# Altium PCB Quark_no.PcbDoc (part 1 of 3)
Units mil, origin at the board's own origin, x right, y up, seen from the top; angles counter-clockwise.
Board outline 877.01 x 1246.5 mil, 6 copper layers (Top1, Signal2, Power4, Gnd3, Signal5, Bottom6), stack 33.911 mil thick; 123 components, 164 nets, 918 pads, 390 vias.
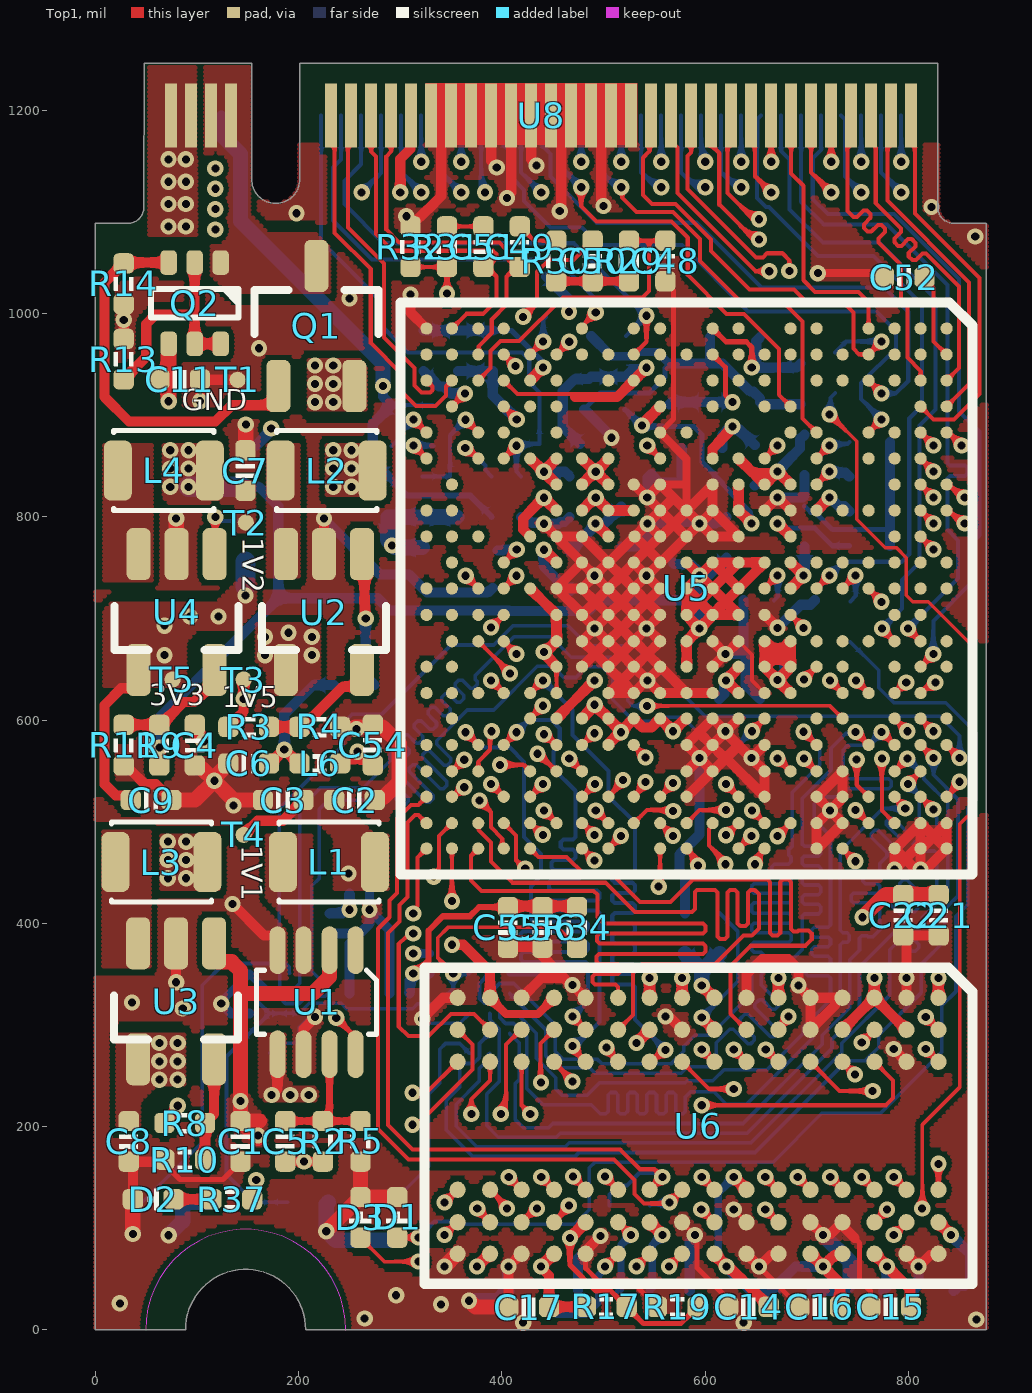
[diagram p0: Top1 view]
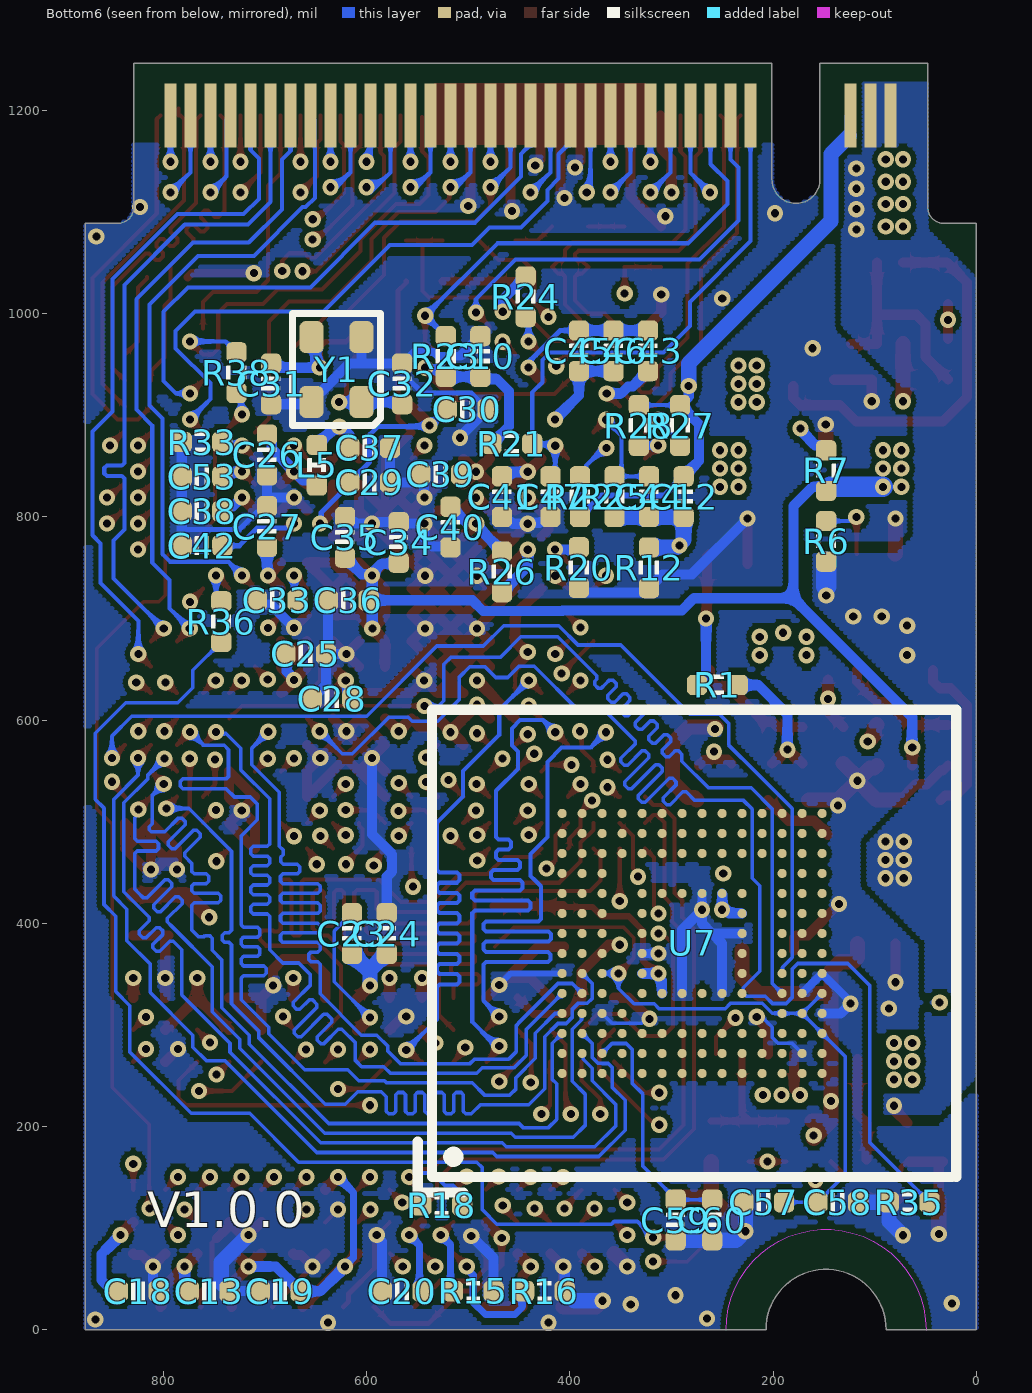
[diagram p1: Bottom6 view, seen from below]
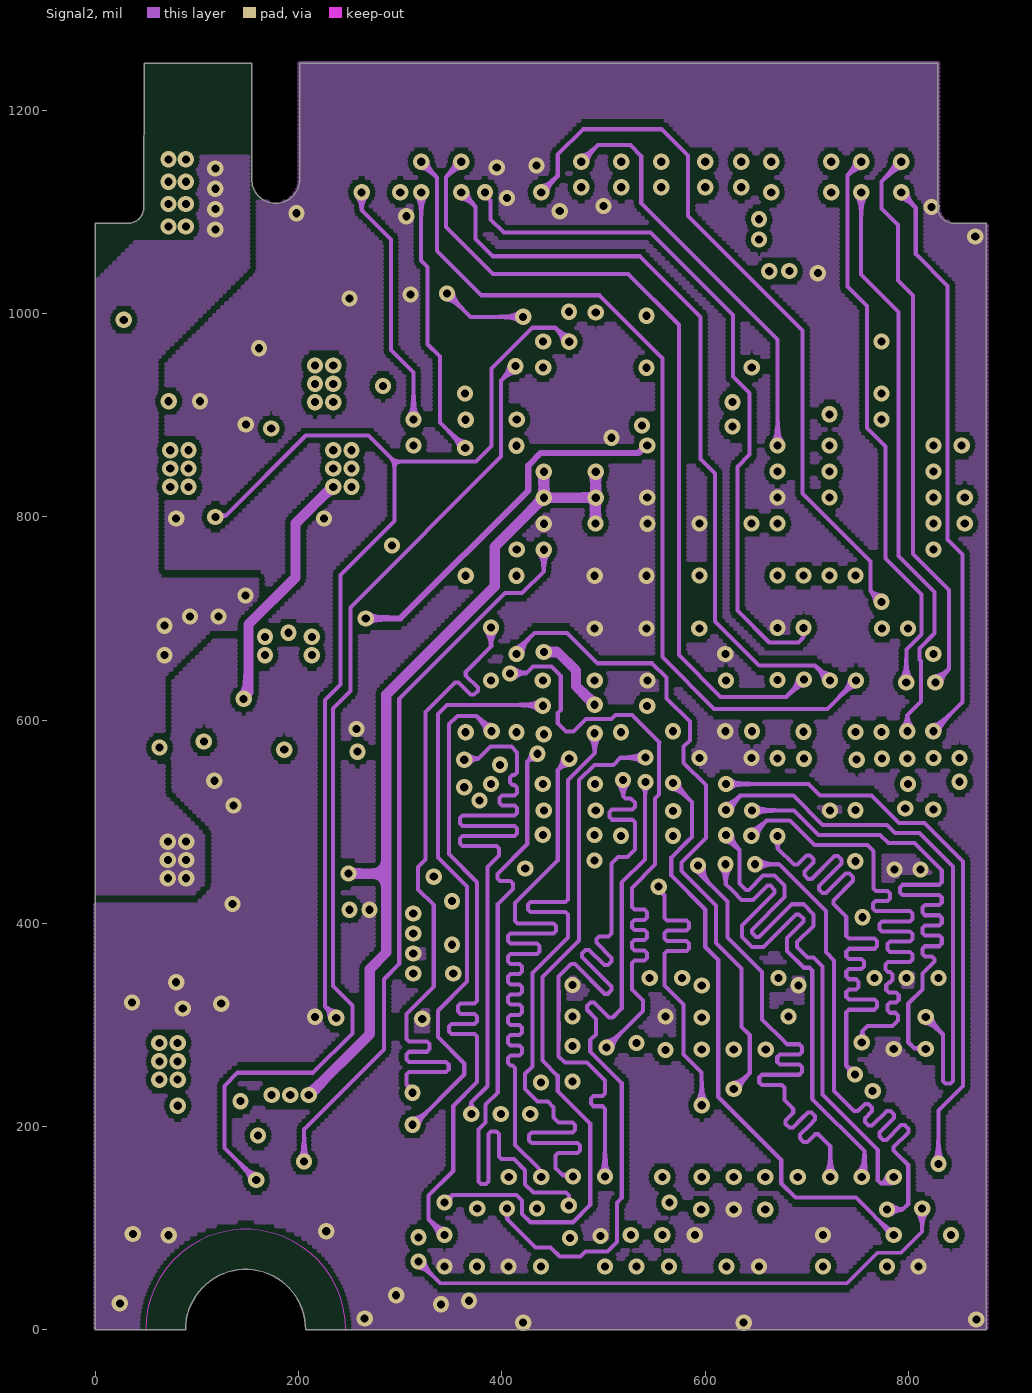
[diagram p2: Signal2]
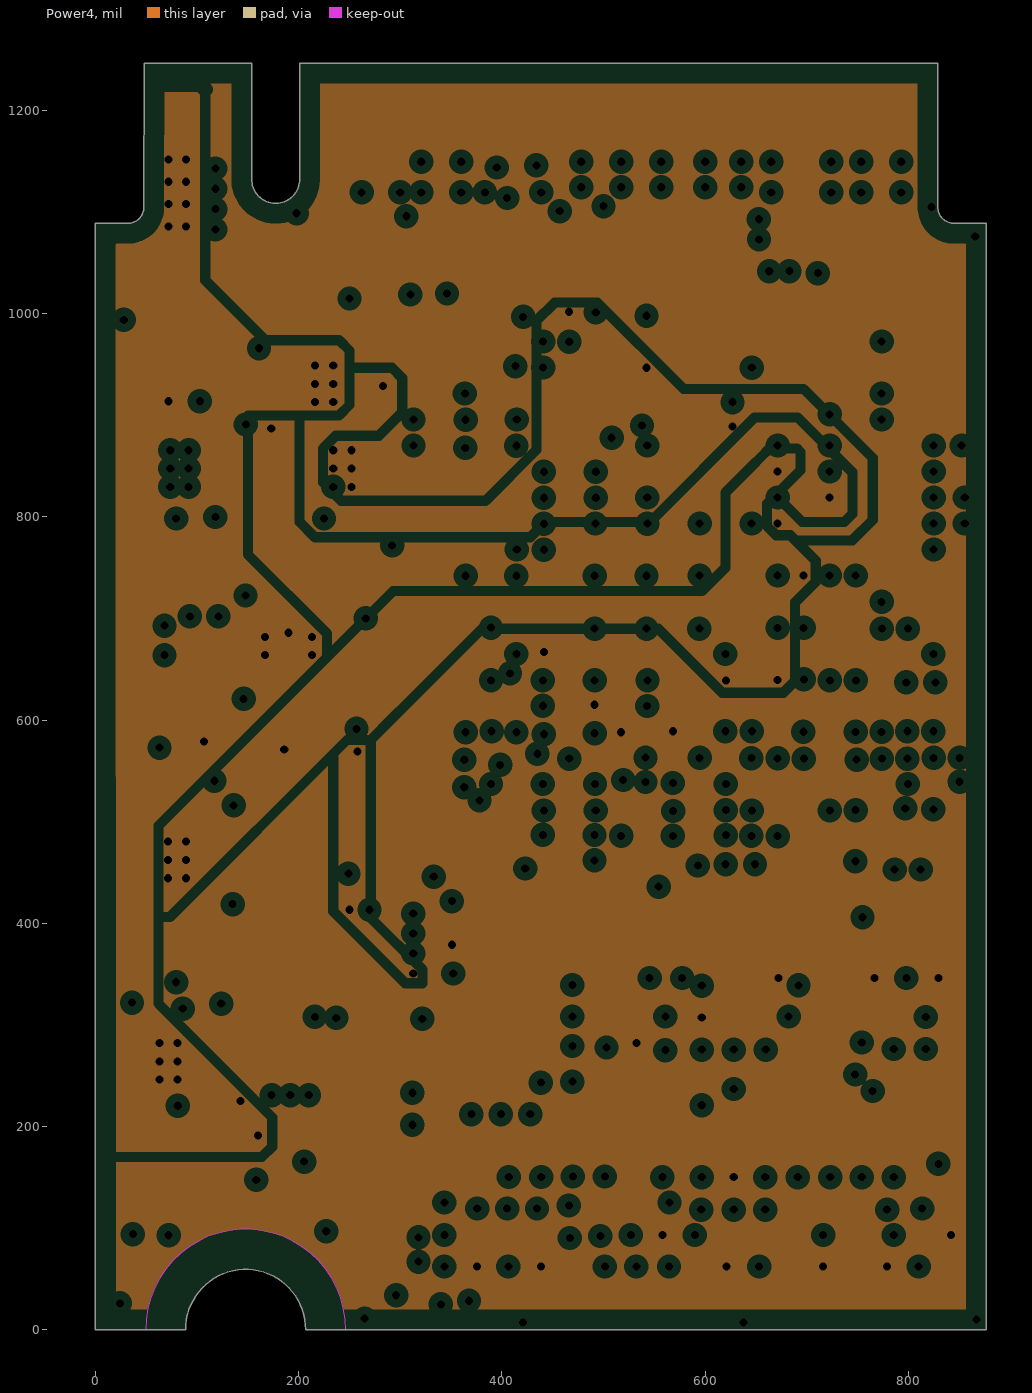
[diagram p3: Power4, clearances drawn from the general rule]
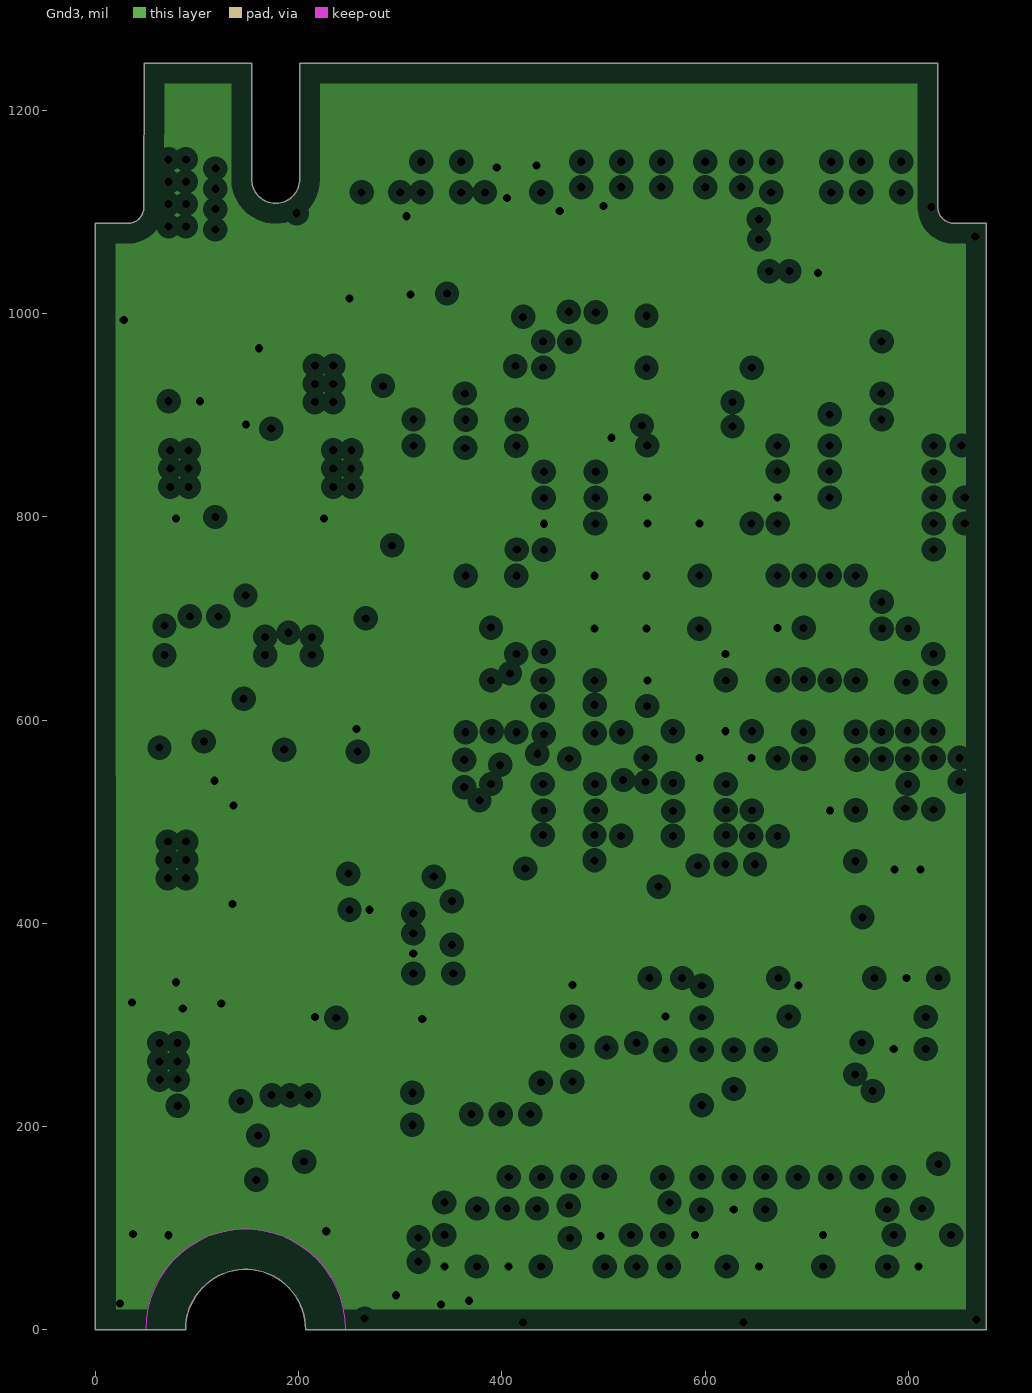
[diagram p4: Gnd3, clearances drawn from the general rule]
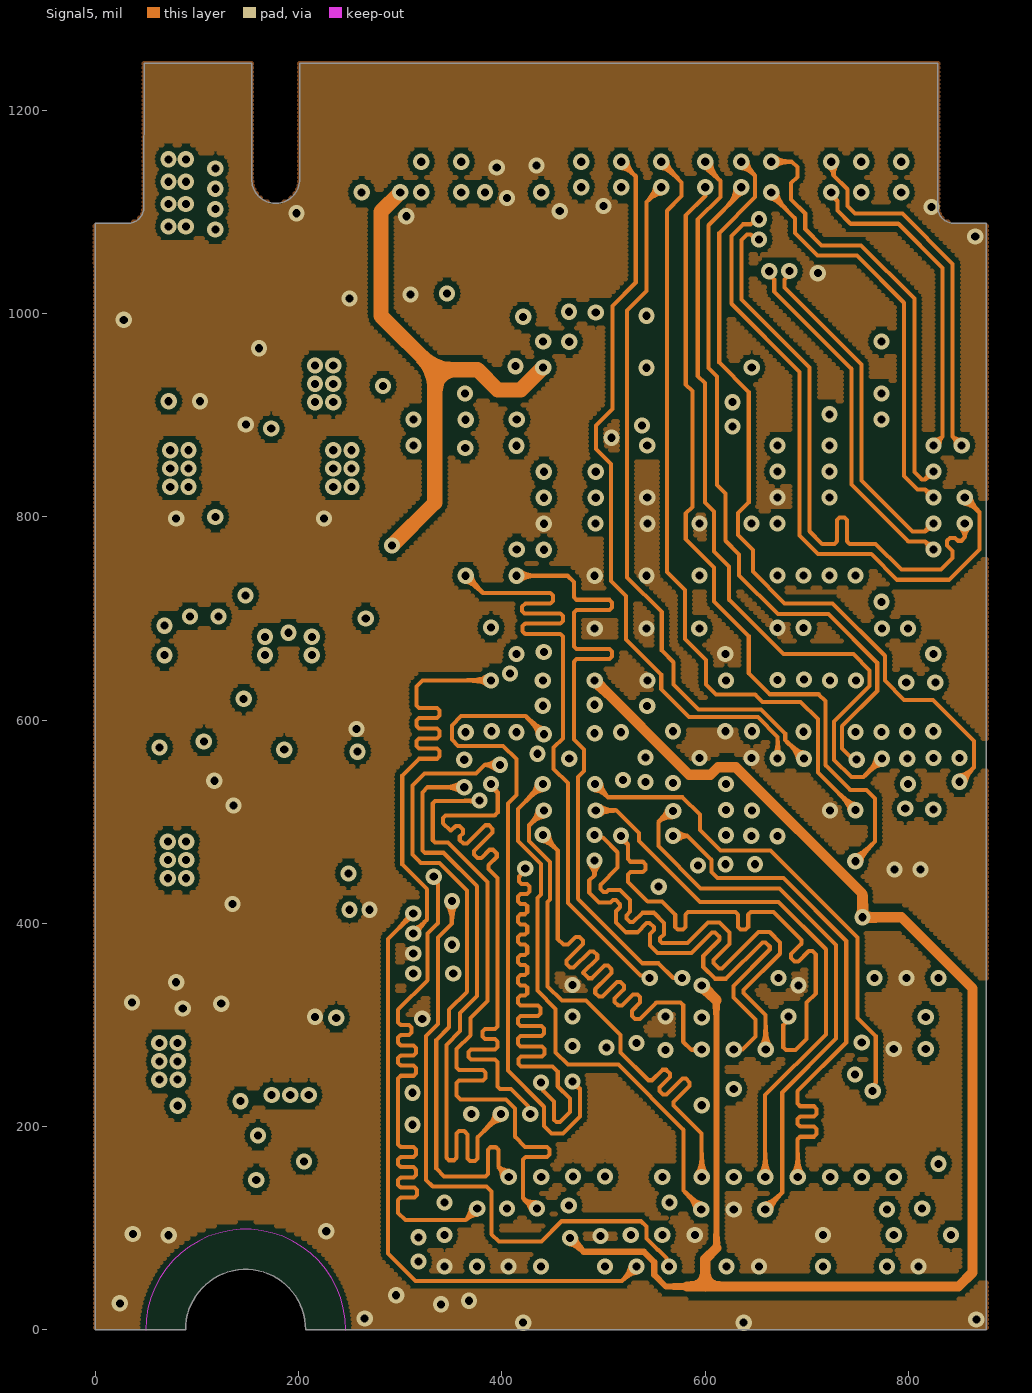
[diagram p5: Signal5]
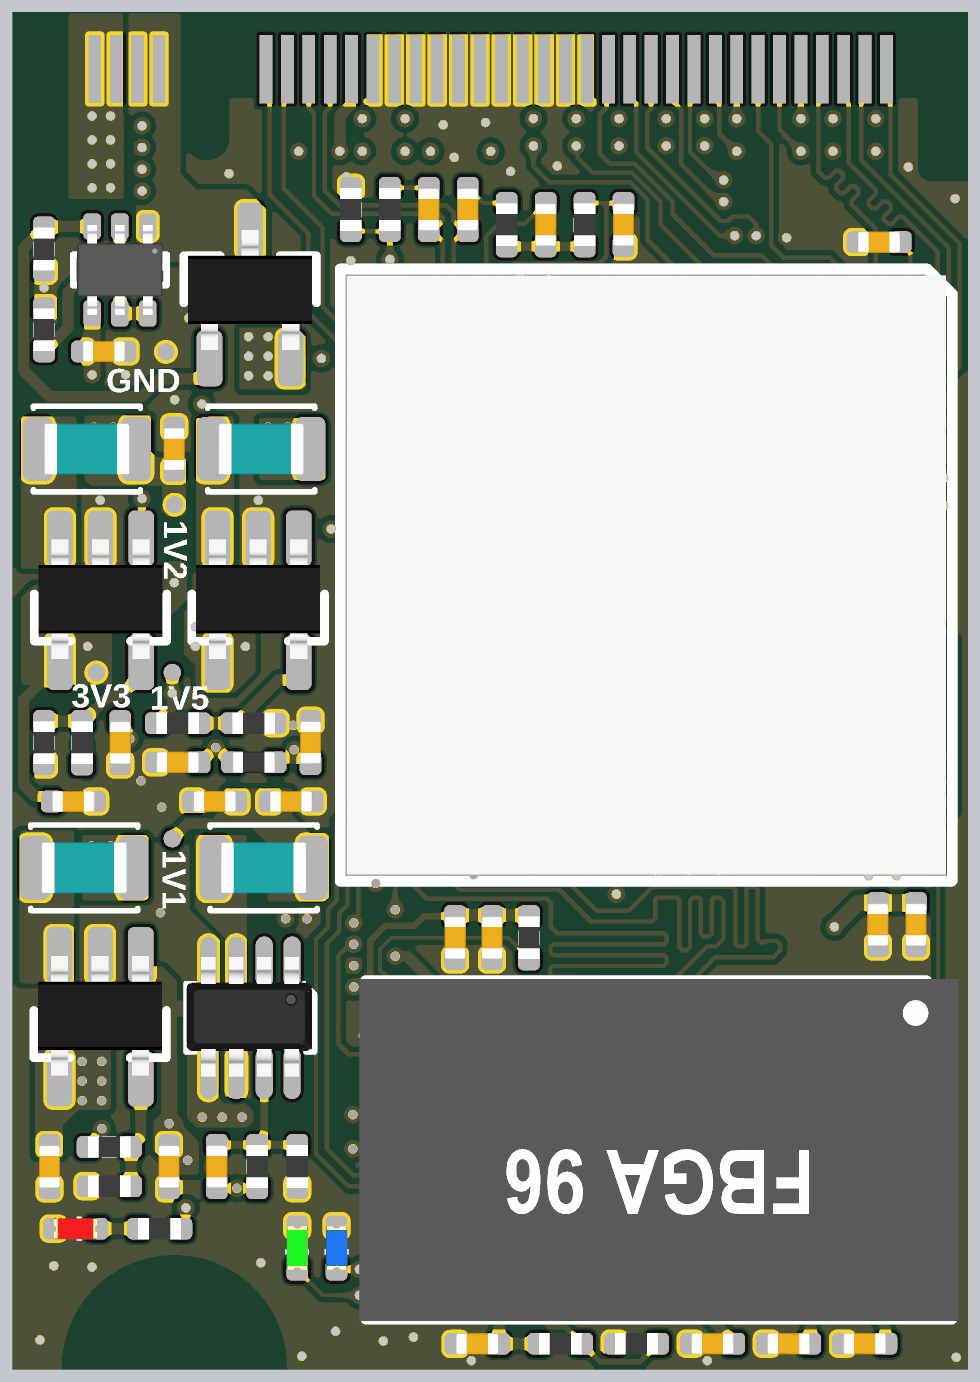
[diagram p8: 3D render of the assembled board from above, using the file's embedded part models]
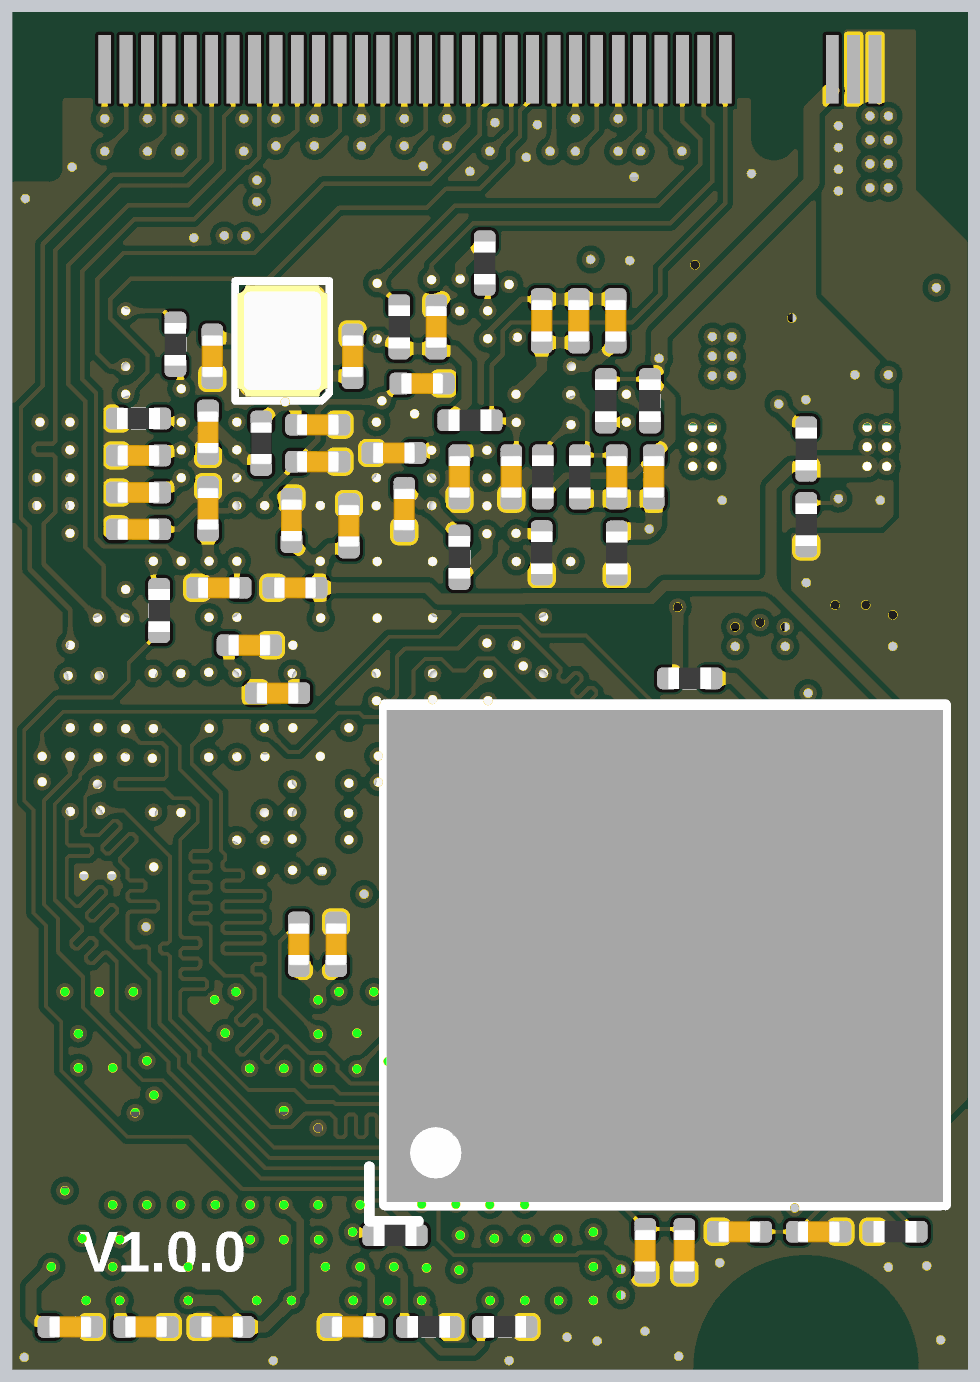
[diagram p9: 3D render of the assembled board from below, using the file's embedded part models]

## Layer stack, top to bottom
Top Solder: solder mask 0.8, Solder Resist, Dk 3.5
Top1: signal copper 1.3778
Dielectric1: prepreg 4.2, PP-014, Dk 4.2
Signal2: signal copper 0.6889
Dielectric3: core 5, Core-015, Dk 4.4
Power4: plane copper 1.3778
Dielectric2: prepreg 8.6, PP-023, Dk 4.5
Gnd3: plane copper 1.3778
Dielectric4: core 5, Core-015, Dk 4.4
Signal5: signal copper 0.6889
Dielectric5: prepreg 4.2, PP-014, Dk 4.2
Bottom6: signal copper 1.4
Bottom Solder: solder mask 0.8, Solder Resist, Dk 3.5

## Board outline
0,0 -0.16,1089.02 31.93,1089.02 ccw(c31.88,1104.81) 47.68,1104.76 47.87,1246.5 153.78,1246.38 153.78,1132.32 ccw(c177.4,1132.32) 201.02,1132.32 201.02,1246.5 829.17,1246.5 829.17,1104.76 ccw(c844.9,1104.74) 844.92,1089.02 876.85,1089.02 876.85,0 206.89,0 ccw(c147.83,0.43) 88.78,0

## Design rules (kind name [scope] priority, off if disabled: settings)
Clearance [All] p1: gap=3.5 ignorepadtopadclearanceinfootprint=TRUE except(0: Arc-Hole Track-Hole SMDPad-Hole THPad-Hole Via-Hole Fill-Hole Poly-Hole Region-Hole Text-Hole; 5: Arc-Poly Track-Poly SMDPad-Poly THPad-Poly Via-Poly Fill-Poly Poly-Poly)
ComponentClearance [All] p1: gap=0 collisioncheckmode=3 verticalgap=0 showdistances=FALSE
DiffPairsRouting [All] p1: maxlimit=9 minlimit=6 mostfreqgap=6 toplayer_minwidth=4 toplayer_maxwidth=4 toplayer_prefwidth=4 midlayer1_minwidth=4 midlayer1_maxwidth=4 midlayer1_prefwidth=4 midlayer3_minwidth=4 midlayer3_maxwidth=4 midlayer3_prefwidth=4 bottomlayer_minwidth=4 bottomlayer_maxwidth=4 bottomlayer_prefwidth=4 maxuncoupledlength=500
FanoutControl Fanout_BGA [All] p1: bgadir=Out bgaviamode=Centered fanoutstyle=Auto fanoutdirection=Alternating viagrid=1 // Fanout_BGA (Default Rule)
HoleSize [All] p1: absolutevalues=TRUE maxlimit=10000 minlimit=8 maxpercent=80.000 minpercent=20.000
MinimumSolderMaskSliver [All] p1 off: minsoldermaskwidth=2
PlaneClearance [All] p1: clearance=8
PlaneConnect [All] p1: planeconnectstyle=Direct reliefexpansion=20 reliefentries=4 reliefconductorwidth=10 reliefairgap=10
PolygonConnect [All] p1: connectstyle=Direct reliefconductorwidth=10 reliefentries=4 polygonreliefangle="90 Angle" airgapwidth=10
RoutingVias [All] p1: holewidth=8 width=16 viastyle="Through Hole" minholewidth=6 minwidth=12 maxholewidth=28 maxwidth=50
SilkToSilkClearance [All] p1: silktosilkclearance=0
SilkToSolderMaskClearance [IsPad] p1: minsilkscreentomaskgap=0 clearancetoexposedcopper=TRUE
SolderMaskExpansion [All] p1: expansion=3 istentingtop=FALSE
Width GND [(InNet('AGND') OR InNet('GND'))] p1: maxlimit=50 minlimit=3.5 preferedwidth=10
Width VCC [(InNet('VDD_SYS_3.3V') OR InNet('VDD_AV_3.3V') OR InNet('VDD_5V') OR InNet('VDD1V2-SYS') OR InNet('VDD1V1-EPHY') OR InNet('VDD-CPUX') OR InNet('VDD-CPUS') OR InNet('VDD-CPUFB') OR InNet('VCC-DRAM'))] p2: maxlimit=50 minlimit=3.5 preferedwidth=10
Width [All] p3: maxlimit=10000 minlimit=3.5 preferedwidth=3.5
21 further rules are at their usual default settings.

## Classes and differential pairs
net class POWER: AGND GND VCC-DRAM VDD1V1-EPHY VDD1V2-SYS VDD-CPUS VDD-CPUX VDD_5V VDD_AV_3.3V VDD_CPUFB VDD_EMMC_3.3V VDD_SYS_3.3V VDD_USB_5V
differential pair class 90: LINEOUT MICI USB0 USB1 USB2 USB3
net class USB: USB-DM0 USB-DM1 USB-DM2 USB-DM3 USB-DP0 USB-DP1 USB-DP2 USB-DP3
net class EPHY: EPHY-LINK-LED EPHY-RXN EPHY-RXP EPHY-SPD-LED EPHY-TXN EPHY-TXP
net class UART: UART0_RX UART0_TX UART1_RX UART1_TX UART2_RX UART2_TX UART3_CTS UART3_RTS UART3_RX UART3_TX
net class SDC0: SDC0-CLK SDC0-CMD SDC0-D0 SDC0-D1 SDC0-D2 SDC0-D3 SDC0-DET
net class I2C: I2C0_SCL I2C0_SDA I2C1_SCL I2C1_SDA
net class SPI0: SPI0_CLK SPI0_CS SPI0_MISO SPI0_MOSI
net class EMMC_A: EMMC-CLK EMMC-CMD EMMC-RSTN
net class EMMC_D0-D7: EMMC-D0 EMMC-D1 EMMC-D2 EMMC-D3 EMMC-D4 EMMC-D5 EMMC-D6 EMMC-D7
net class DDR_BUS_A: SA0 SA1 SA2 SA3 SA4 SA5 SA6 SA7 SA8 SA9 SA10 SA11 SA12 SA13 SA14 SA15 SBA0 SBA1 SBA2 SCAS SCK_N SCK_P SCKE0 SCKE1 SCS0 SCS1 SODT0 SODT1 SRAS SRST SWE
net class DDR_A8-A15: SA8 SA9 SA10 SA11 SA12 SA13 SA14 SA15
net class DDR_A0-A7: SA0 SA1 SA2 SA3 SA4 SA5 SA6 SA7
net class DDR_D8-D15: SDQ8 SDQ9 SDQ10 SDQ11 SDQ12 SDQ13 SDQ14 SDQ15 SDQM1 SDQS1_N SDQS1_P
net class DDR_D0-07: SDQ0 SDQ1 SDQ2 SDQ3 SDQ4 SDQ5 SDQ6 SDQ7 SDQM0 SDQS0_N SDQS0_P
component class Power: C1 C2 C3 C4 C5 C6 C7 C8 C9 C10 C11 C12 C54 L1 L2 L3 L4 L5 L6 Q1 Q2 R1 R2 R3 R4 R5 R6 R7 R8 R9 R10 R11 R12 R13 R14 T1 T2 T3 T4 T5 U1 U2 U3 U4
component class CPU&DRAM: C13 C14 C15 C16 C17 C18 C19 C20 C21 C22 C23 C24 C25 C26 C27 C28 C29 C30 C31 C32 C33 C34 C35 C36 C37 C38 C39 C40 C41 C42 C43 C44 C45 C46 C47 C48 C49 C50 C51 C52 C53 D1 D2 D3 R15 R16 R17 R18 R19 R20 R21 R22 R23 R24 R25 R26 R27 R28 R29 R30 R31 R32 R33 R36 R37 R38 R43 U5 U6 Y1
component class Connect: C55 C56 C57 C58 C59 C60 R34 R35 U7 U8
differential pair LINEOUT: +LINEOUTL -LINEOUTR
differential pair MICI: +MICIN1N -MICIN1P
differential pair USB3: +USB-DM3 -USB-DP3
differential pair USB2: +USB-DM2 -USB-DP2
differential pair USB1: +USB-DM1 -USB-DP1
differential pair USB0: +USB-DM0 -USB-DP0
differential pair SDQS0: +SDQS0_P -SDQS0_N
differential pair SDQS1: +SDQS1_P -SDQS1_N
differential pair SCK: +SCK_P -SCK_N
